# Altium PCB Kame_PDB.PcbDoc (continued)
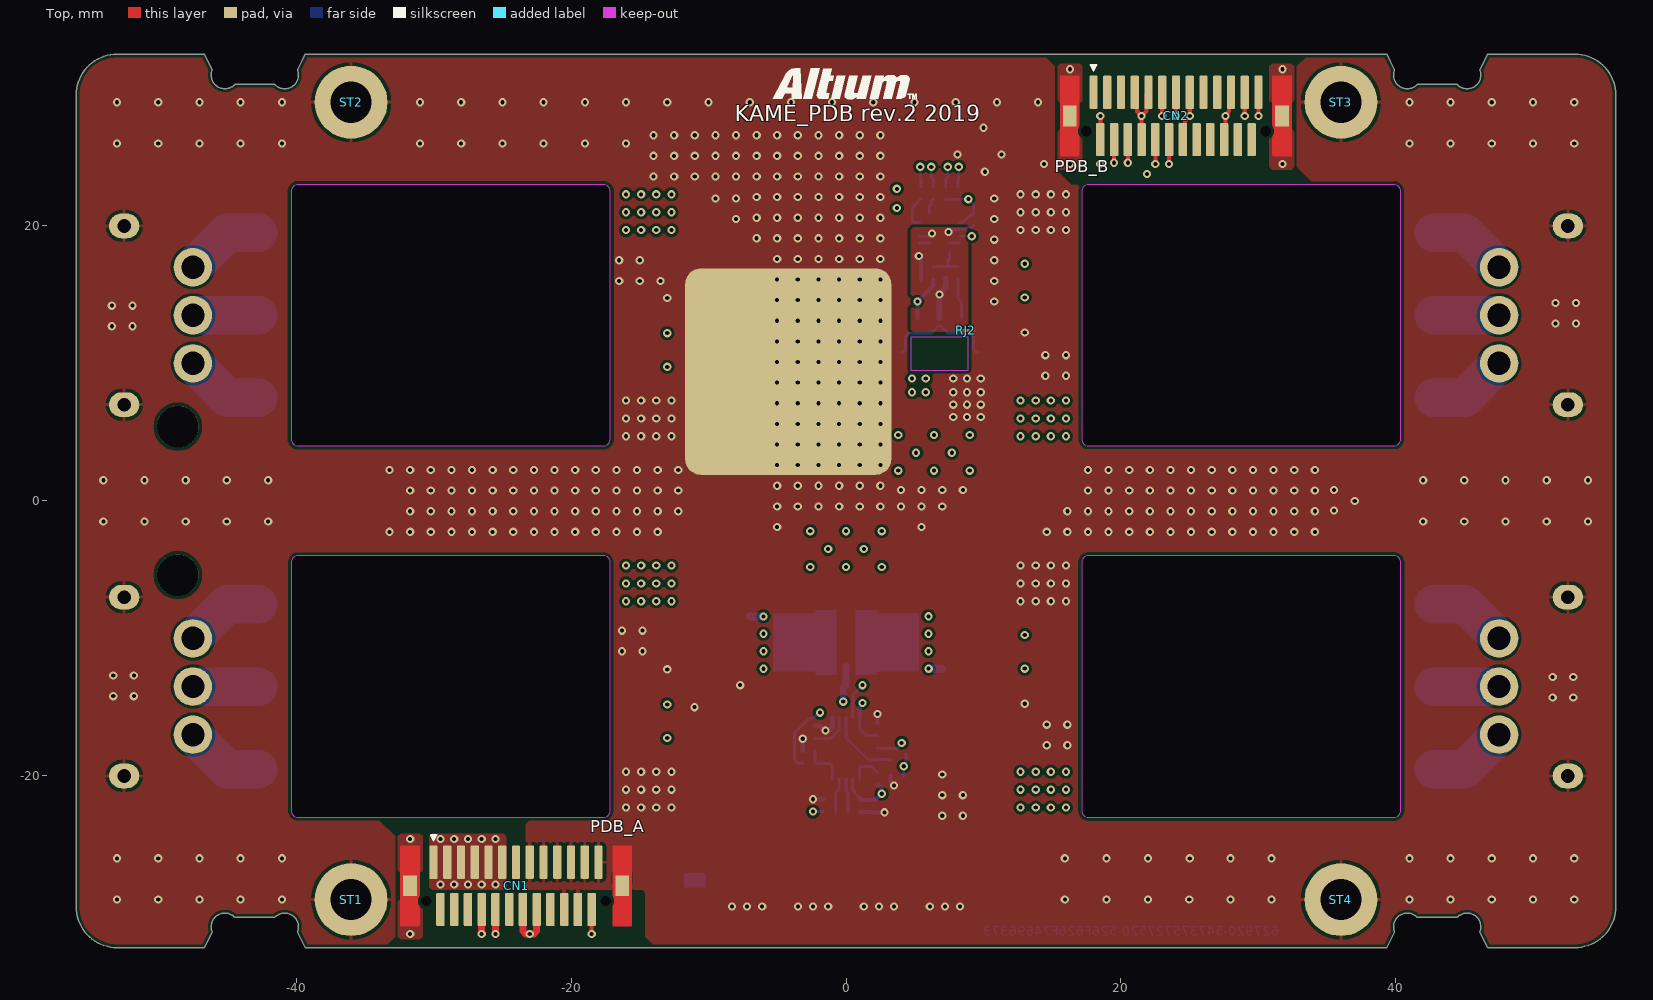
[diagram p0: Top view]
## Footprints (in the part's own frame and the unit in brackets; to place one, negate y for a bottom-side part, rotate by r counter-clockwise, add the part's x,y. Pads: shape width x height; smd on the part's side, far side on the other; paste and mask are expansions set on the pad) (continued)
  body extent -13.5,-9.9 13.5,9.9, height 3.3
MR30PW-FB-Footprint-1 [mm]
  round 2.8 hole 1.7: 1(2.5,-3.5) 2(2.5,0) 3(2.5,3.5)
  oval 2.2x1.8 hole 1: MP1(-2.5,-6.5) MP2(-2.5,6.5)
  silkscreen extent 2.3,-5.9 2.7,-5.5, body extent -11.55,-7.65 3.3,7.65, height 5.3
"New footprint 1" [mil]
  rect 1x8 smd: 1(-6.89,0) 2(6.89,0)
  Top region: -6.89,4 6.89,4 6.89,-4 -6.89,-4
NXP-SOT669_L [mm] "DPAK, 4-Leads, Body 5x4.1mm, Pitch 1.27mm, IPC High Density"
  rrect25% 1.15x0.7 smd: 1(-2.725,1.905) 2(-2.725,0.635) 3(-2.725,-0.635) 4(-2.725,-1.905)
  rrect0% 1x1 smd paste-1: 5(0.5,0)
  Top region: -1.1,2 -1.1,-2 -1.1,-2.02 -1.085,-2.057 -1.057,-2.085 -1.02,-2.1 -1,-2.1 -1,-2.1 1.9,-2.1 1.919,-2.102 1.956,-2.117 1.983,-2.144 1.998,-2.18 2,-2.2 2,-2.2 2,-2.25 2,-2.27 2.015,-2.307 2.043,-2.335 2.08,-2.35 2.1,-2.35 2.1,-2.35 3.4,-2.35 3.42,-2.35 3.457,-2.335 3.485,-2.307 3.5,-2.27 3.5,-2.25 3.5,-2.25 3.5,2.25 3.5,2.27 3.485,2.307 3.457,2.335 3.42,2.35 3.4,2.35 3.4,2.35 2.1,2.35 2.08,2.35 2.043,2.335 2.015,2.307 2,2.27 2,2.25 2,2.25 2,2.2 1.998,2.18 1.983,2.144 1.956,2.117 1.92,2.102 1.9,2.1 1.9,2.1 -1,2.1 -1.02,2.1 -1.057,2.085 -1.085,2.057 -1.1,2.02 -1.1,2
  silkscreen extent -3.9,-2.8 3.9,2.8, body extent -3.23,-2.45 3.2,2.45, height 1.1
RESC0402(1005)_L [mm] "Chip Resistor, Body 1.0x0.5mm, IPC High Density"
  rrect25% 0.5x0.55 smd: 1(-0.45,0) 2(0.45,0)
  silkscreen extent 0,-0.2 0,0.2, body extent -0.5,-0.25 0.5,0.25, height 0.3
RGT0016C_V [mm] "QFN, 16-Leads, Body 3x3mm, Pitch 0.5mm, Thermal Pad 1.65x1.65mm"
  rrect100% 0.7x0.25 smd: 1(-1.45,0.75) 2(-1.45,0.25) 3(-1.45,-0.25) 4(-1.45,-0.75) 9(1.45,-0.75) 10(1.45,-0.25) 11(1.45,0.25) 12(1.45,0.75)
  rrect100% 0.25x0.7 smd: 5(-0.75,-1.45) 6(-0.25,-1.45) 7(0.25,-1.45) 8(0.75,-1.45) 13(0.75,1.45) 14(0.25,1.45) 15(-0.25,1.45) 16(-0.75,1.45)
  rrect15% 1.7x1.7 smd: 17(0,0)
  silkscreen extent -1.9,-1.9 1.9,1.9, body extent -1.5,-1.5 1.5,1.5, height 0.97
ROHM-SOT723-3_V [mm] "SOT723, 3-Leads, Body 1.2x0.8mm, Pitch 0.8mm"
  rrect30% 0.45x0.4 smd: 1(-0.575,0.4) 2(-0.575,-0.4)
  rrect30% 0.45x0.5 smd: 3(0.575,0)
  body extent -0.53,-0.63 0.53,0.63, height 0.45
STM-QFN3 [mm] "SMD, 3-Leads, Body 2x2mm"
  rrect50% 0.6x0.3 smd: 1(-0.85,0.65) 2(-0.85,-0.65)
  rrect50% 1x0.3 smd paste-1: 3(0.75,0)
  Top region: -0.2,-0.675 -0.2,-0.69 -0.189,-0.717 -0.167,-0.739 -0.14,-0.75 -0.125,-0.75 -0.125,-0.75 0.725,-0.75 0.74,-0.75 0.767,-0.739 0.789,-0.717 0.8,-0.69 0.8,-0.675 0.8,-0.675 0.8,0.675 0.8,0.69 0.789,0.717 0.767,0.739 0.74,0.75 0.725,0.75 0.725,0.75 -0.125,0.75 -0.14,0.75 -0.167,0.739 -0.189,0.717 -0.2,0.69 -0.2,0.675 -0.2,0.675
  silkscreen extent -1.4,-1.2 1.4,1.2, body extent -0.95,-1 1.05,1, height 0.6
WE-9774050243R_V [mm] "Round Standoff M2 Steel Spacer"
  round 5.3 / inner round 0 / far side round 0 hole 3: 1(0,0)
  body extent -2.17,-2.17 2.18,2.17, height 5
WIRE_PAD_7x4-Footprint-1 [mm]
  rrect30% 6.472x4 smd mask+0.102: 1(0,0)

## Part data
C1 C2 C3 C4: library part CMP-001-00064-3, "Aluminum Organic Polymer Capacitors 33uF 25volt SP-Cap AEC-Q200", Case/Package=2917, Max Operating Temperature=105°C, Min Operating Temperature=-40°C, Tolerance=20%, Voltage Rating=25V, Mounting Technology=SMT, Pins=2
C5 C7 C8 C9 C10: library part CMP-001-00067-3, "Chip Capacitor, 100nF +/-20%, 50V, 0402, Thickness 0.6 mm", Case/Package=0402, Max Operating Temperature=85°C, Min Operating Temperature=-55°C, Tolerance=10%, Voltage Rating=50V, Mounting Technology=SMT, Pins=2
C6: library part CMP-001-00073-3, "Chip Capacitor, 22pF +/-10%, 50V, 0402, Thickness 0.6 mm", Case/Package=0402, Max Operating Temperature=85°C, Min Operating Temperature=-55°C, Tolerance=10%, Voltage Rating=50V, Mounting Technology=SMT, Pins=2
CN1 CN2: library part CMP-002-00064-3, "Header, Pitch 1 mm, 25 Position, Height 5 mm, -55 to 130 degC", Pins=27
CP1 CP2 CP3 CP4: library part CMP-002-00056-3, "AMASS 500V 15A   0.8 mOhm", Pins=5
D1: library part CMP-004-00029-3, "TVS diode, 4500W, 22V standoff, 29.5V clamp", Case/Package=3-QFN, Forward Voltage=700mV, Max Surge Current=140A, Peak Inverse Voltage=22.7V, Mounting Technology=SMT, Pins=3, RoHS Compliant=Yes
M1 M2 M3 M4: library part CMP-00030-00000-2, "KISS ESC 2-6S 32A (45A limit) - 32bit brushless Motor Ctrl", Pins=8
P1 P2: library part CMP-019-00043-3, "SMD WIRE PAD 7 x 4 mm", Pins=1
Q1 Q2: library part CMP-013-00029-2, "N-channel Logic Level MOSFET, 30 V, 300 A, -55 to 175 degC, 5-Pin SOT669, RoHS, Tape and Reel", Pins=5, RoHS Compliant=True, Transistor Type=1N-Channel, Vgs (Max)=20V
Q3: library part CMP-013-00027-2, "Pch Small Signal MOSFET, 20 V, 200 mA, 3-Pin SOT723, RoHS, Tape and Reel", Pins=3, Vgs(th) (Max) @ Id=1V@100µA
R1: library part CMP-009-00125-3, "Chip Resistor, 953 kOhms, +/-1 %, 63 mW, -55 to 155 degC, 0402", Case/Package=0402, Max Operating Temperature=155°C, Min Operating Temperature=-55°C, Power=63mW, Tolerance=1%, Pins=2
R2: library part CMP-009-00127-3, "Chip Resistor, 232 kOhms, +/-1 %, 63 mW, -55 to 155 degC, 0402", Case/Package=0402, Power=63mW, Tolerance=1%, Pins=2
R3: library part CMP-009-00156-3, "Chip Resistor, 2,8 kOhms, +/-1 %, 63 mW, -55 to 155 degC, 0402", Case/Package=0402, Power=63mW, Tolerance=1%, Pins=2
R4 R5: library part CMP-009-00140-3, "Chip Resistor, 82 kOhms, +/-1 %, 63 mW, -55 to 155 degC, 0402", Case/Package=0402, Power=63mW, Tolerance=1%, Pins=2
R6 R7 R9: library part CMP-009-00168-3, "Chip Resistor, 100 kOhms, +/-1 %, 63 mW, -55 to 155 degC, 0402", Case/Package=0402, Max Operating Temperature=155°C, Min Operating Temperature=-55°C, Power=63mW, Tolerance=1%, Pins=2
R8: library part CMP-009-00157-3, "Chip Resistor, 1 kOhms, +/-5 %, 63 mW, -55 to 155 degC, 0402", Case/Package=0402, Max Operating Temperature=155°C, Min Operating Temperature=-55°C, Power=63mW, Tolerance=5%, Pins=2
R10 R11 R12 R13: library part CMP-009-00148-3, Case/Package=0402, Max Operating Temperature=155°C, Min Operating Temperature=-55°C, Pins=2
R14: library part CMP-009-00146-3, "Chip Resistor, 120 kOhms, +/-1 %, 63 mW, -55 to 155 degC, 0402", Case/Package=0402, Max Operating Temperature=155°C, Min Operating Temperature=-55°C, Power=63mW, Tolerance=1%, Pins=2
R15: library part CMP-009-00145-3, "Chip Resistor, 3 kOhms, +/-1 %, 63 mW, -55 to 155 degC, 0402", Case/Package=0402, Max Operating Temperature=155°C, Min Operating Temperature=-55°C, Power=63mW, Tolerance=1%, Pins=2
RJ1 RJ2: library part CMP-009-00116-2, Max Operating Temperature=155°C, Min Operating Temperature=-55°C, Pins=2
ST1 ST2 ST3 ST4: library part CMP-00028-00006-2, "WA-SMSI SMT Steel Spacer, M2 Thread Internal, Tin, RoHS, Tape and Reel", Pins=1
U1: library part CMP-019-00039-3, "High-Side Protection Controller with Low Quiescent Current, 5.5 to 65 V, -40 to 125 degC, 10-Pin VSSOP, RoHS, Tape and Reel", Max Operating Temperature=125°C, Max Supply Voltage=65V, Min Operating Temperature=-40°C, Min Supply Voltage=5.5V, Pins=10
U2: library part CMP-014-00001-3, "High or Low Side Measurement, 2.7 to 5.5 V, -40 to 125 degC, 16-Pin QFN, RoHS, Tape and Reel", Mounting Technology=SurfaceMount, Pins=17
U3: library part CMP-031-00005-2, "High-Precision Linear Hall-Effect-Based Current Sensor IC with 200 u? Current Conductor, 3 to 3.6 V, -40 to 150 degC, 7-Pin PSOF, RoHS, Tape and Reel", Pins=7

## Free pads (board coordinates)
  round 3 hole 3 unplated: 1(-48.6,-5.4) 1(-48.6,5.4)
  rrect15% 15x15 smd paste-10: RPI_HS(-4.2,9.4)

## Via types
v1: diameter 0.6, hole 0.3, Top to Bottom, tented both sides, 492 vias
v2: diameter 0.6, hole 0.3, Top to Bottom, 132 vias

## Nets (pads, with @x,y where several pads share a name; then routed paths per layer and width w, separated by ;. In a path a pad name is that pad's centre, name@x,y a point inside that pad or via, vN(x,y) a via of type N, cw(c..) or ccw(c..) an arc to the next point about the centre after c; other vN are vias at no path point)
BAT_CS_P: C10.1 R14.2 R15.2 U2.13 | length 2.9
  Bottom w0.2: C10.1 6.4,17.05 R15.2 ; U2.13 7.55,17.66 7.402,17.512 7.402,17.202 R15.2 ; R14.2 R15.2
BAT_GND: P2.1 U3.6
  other v2: 3.8,2.2 6.4,2.2 9,2.2 5.1,3.5 7.7,3.5 3.8,4.8 6.4,4.8 9,4.8 4.8,7.9 5.8,7.9 4.8,8.9 5.8,8.9
BAT_PWR17_PDB: C1.1 C2.1 C3.1 C4.1 C5.1 CN1.1 CN1.2 CN1.3 CN1.4 CN1.5 CN1.6 D1.3 P1.1 Q1.5 Q2.5 R1.2 R2.2 R3.2 U1.2 U2.11 | length 49.6
  L3 w0.3: v2(0,-2.2) v2@0.203,-2.2 ; v2(2.6,-2.2) 1.818,-1.418 1.818,14.99 2.188,15.361 2.848,15.361 4.22,16.734 4.22,18.12 4.8,18.7 8.364,18.7 8.914,19.25 v1(9.15,19.25)
  L3 w0.4: v1(-2.4,-22.599) 1.301,-22.599 v1(2.6,-21.3) 2.619,-21.281 2.619,-17.419 v1(-0.2,-14.6)
  Bottom w0.15: U2.11 v1(9.15,19.25)
  Bottom w0.2: v1(-2.4,-22.599) R2.2 ; U1.2 0.5,-21 0.617,-21.117 0.617,-21.242 1.075,-21.7 R1.2@1.075,-21.725
  Bottom w0.3: R1.2 1.075,-21.725 1.1,-21.75 C5.1 2.15,-21.75 v1(2.6,-21.3) 2.6,-20.925 2.325,-20.65 R3.2
  Bottom w0.5: v1(-0.2,-14.6) -0.2,-13.6 0,-13.4 0,-12.023
  other v1: -29.5,-27.9 -28.5,-27.9 -27.5,-27.9 -26.5,-27.9 -25.5,-27.9 -29.5,-24.6 -28.5,-24.6 -27.5,-24.6 -26.5,-24.6 -25.5,-24.6
  other v2: -2.6,-4.8 0,-4.8 2.6,-4.8 -1.3,-3.5 1.3,-3.5 -2.6,-2.2
BAT_SCL: CN2.6 R12.2 | length 21.9
  Top w0.3: v1(23,28) CN2.6
  L3 w0.2: v1(6.2,24.3) 9.7,27.8 17.705,27.8 18.151,27.354 22.354,27.354 v1(23,28)
  Bottom w0.2: v1(6.2,24.3) 6.2,23.55 6.35,23.4 R12.2
BAT_SDA: CN2.7 R13.2 | length 24
  Top w0.3: v1(24,28) CN2.7
  L3 w0.2: v1@5.3,24.4 5.451,24.4 9.251,28.2 17.705,28.2 18.205,28.7 23.3,28.7 v1(24,28)
  Bottom w0.2: v1(5.4,24.3) 5.4,23.45 5.45,23.4 R13.2
ESC_EN: CN2.12 R8.2 | length 83.6
  Top w0.3: v1(29,28) CN2.12
  L2 w0.2: v1(-1.9,-15.4) -1.2,-16.1 7.4,-16.1 10.4,-13.1 10.4,12.334 6.85,15.884 6.85,19.699 6.8,19.749 6.8,24.8 7.9,25.9 26.9,25.9 v1(29,28)
  Bottom w0.2: R8.2 -3.5,-19.1 -3.75,-18.85 -3.75,-16.887 -2.663,-15.8 -2.349,-15.8 -1.949,-15.4 v1(-1.9,-15.4)
ESC_M1: CN2.15 M1.4 | length 42.6
  Top w0.3: v1(19.5,24.6) CN2.15
  L2 w0.2: v2@13.1,-9.75 12.1,-8.75 12.1,22.56 13.44,23.9 18.8,23.9 v1(19.5,24.6)
  other v2: 13,-9.75
ESC_M2: CN2.16 M2.4 | length 43.9
  Top w0.3: v1(20.5,24.6) CN2.16
  L2 w0.2: v2(-13,9.75) -5.85,16.9 2.723,16.9 3.303,17.48 3.303,20.903 v1(3.7,21.3)
  L3 w0.2: v1(3.7,21.3) 6.811,21.3 8.411,22.9 10.671,22.9 12.871,25.1 19,25.1 19.2,25.3 19.8,25.3 v1(20.5,24.6)
ESC_M3: CN2.18 M3.4 | length 19
  Top w0.3: v1(22.5,24.5) CN2.18
  L3 w0.2: v2@13.1,17.25 11.9,18.45 11.9,22.584 13.216,23.9 20.995,23.9 21.595,24.5 v1(22.5,24.5)
  other v2: 13,17.25
ESC_M4: CN2.19 M4.4 | length 75.2
  Top w0.3: v1(23.5,24.5) CN2.19
  L2 w0.2: v2@-13.1,-17.25 -11.9,-16.05 -11.9,-14.686 -11.3,-14.086 -11.3,-5.6 -5.3,0.4 -0.1,0.4 0.2,0.7 0.2,14.9 0.7,15.4 2.8,15.4 3.866,16.466 3.866,20.465 4.426,21.025 4.426,21.974 v1(3.7,22.7)
  L3 w0.2: v1(3.7,22.7) 7.616,22.7 8.216,23.3 10.405,23.3 12.605,25.5 18.6,25.5 18.9,25.8 22.2,25.8 v1(23.5,24.5)
  other v2: -13,-17.25
ESC_PG: CN2.13 Q3.3 R7.2 | length 71.3
  Top w0.3: v1(30,28) CN2.13
  L2 w0.2: 4.4,-19.6 4.4,-18.971 5.071,-18.3 7.471,-18.3 11.6,-14.171 11.6,23.8 13.2,25.4 27.4,25.4 v1(30,28)
  Bottom w0.2: R7.2@4.2,-20 v1(4.2,-19.3) 4.37,-19.13 Q3.3
ESC_PWR17: M1.1 M2.1 M3.1 M4.1 Q1.1 Q1.2 Q1.3 Q2.1 Q2.2 Q2.3 RJ1.2 | length 3
  L3 w0.2: 0,-12.5 0,-13.004 0.396,-13.4 v1(1.2,-13.4)
  Bottom w0.2: RJ1.2 0.5,-14.1 v1(1.2,-13.4)
  other v1: -6,-12.205 -6,-10.935 6,-10.935 -6,-9.665 6,-9.665 6,-8.395
  other v2: 12.7,-22.3 13.8,-22.3 14.9,-22.3 16,-22.3 12.7,-21 13.8,-21 14.9,-21 16,-21 12.7,-19.7 13.8,-19.7 14.9,-19.7 16,-19.7 -16,-7.3 -14.9,-7.3 -13.8,-7.3 -12.7,-7.3 -16,-6 -14.9,-6 -13.8,-6 -12.7,-6 -16,-4.7 -14.9,-4.7 -13.8,-4.7 -12.7,-4.7 12.7,4.7 13.8,4.7 14.9,4.7 16,4.7 12.7,6 13.8,6 14.9,6 16,6 12.7,7.3 13.8,7.3 14.9,7.3 16,7.3 -16,19.7 -14.9,19.7 -13.8,19.7 -12.7,19.7 -16,21 -14.9,21 -13.8,21 -12.7,21 -16,22.3 -14.9,22.3 -13.8,22.3 -12.7,22.3
GND: C1.2 C2.2 C3.2 C4.2 C5.2 C6.1 C7.2 CN1.8 CN1.9 CN1.10 CN1.11 CN1.12 CN1.13 CN1.17 CN1.18 CN1.23 CN1.24 CN1.MP1 CN1.MP2 CN2.4 CN2.5 CN2.8 CN2.11 CN2.14 CN2.17 CN2.20 CN2.23 CN2.MP1 CN2.MP2 CP1.MP1 CP1.MP2 CP2.MP1 CP2.MP2 CP3.MP1 CP3.MP2 CP4.MP1 CP4.MP2 D1.1 D1.2 M1.2 M1.5 M2.2 M2.5 M3.2 M3.5 M4.2 M4.5 pad.RPI_HS R4.1 R5.1 R7.1 R9.1 RJ2.1 ST1.1 ST2.1 ST3.1 ST4.1 U1.6 U3.5 | length 25.7
  Top w0.2: RJ2.1 9.31,12.4
  Top w0.3: CN2.14 v1(18.5,28) ; CN2.4 21.155,29.565 21.155,28.345 21.459,28.041 v1@21.5,28.081 ; CN2.17 v1(21.5,28) 21.845,28.345 21.845,29.565 CN2.5 ; CN2.20 24.655,26.435 24.655,27.655 v1(25,28) CN2.8 ; CN2.23 27.6,26.38 v1(27.6,28) 27.6,28.081 27.845,28.326 27.845,29.565 CN2.11
  Top w0.5: v1(-26.5,-31.5) CN1.17 ; v1(-25.5,-31.5) CN1.18
  Bottom w0.3: R9.1 v1(-3.15,-17.3) ; v1(-2.4,-21.7) R5.1 ; C7.2 -1.931,-16.35 -1.581,-16.7 v1(-1.5,-16.7) -1.176,-16.7 -1,-16.524 U1.6 ; R4.1 1.075,-22.625 1.975,-22.625 C5.2 v1(2.8,-22.65) ; C6.1 v1(2.3,-15.5) ; R7.1 3.25,-20.45 v1(3.5,-20.7)
  other v1: -31.7,-31.5 -8.3,-29.5 -7.2,-29.5 -6.1,-29.5 -3.5,-29.5 -2.4,-29.5 -1.3,-29.5 1.3,-29.5 2.4,-29.5 3.5,-29.5 6.1,-29.5 7.2,-29.5 8.3,-29.5 -53.019,-29 -50.028,-29 -47.028,-29 -44.037,-29 -41.028,-29 15.916,-29 18.944,-29 21.972,-29 24.963,-29 27.963,-29 30.953,-29 40.981,-29 43.972,-29 46.972,-29 49.963,-29 52.972,-29 -53.019,-26 -50.028,-26 -47.028,-26 -44.037,-26 -41.028,-26 15.916,-26 18.944,-26 21.972,-26 25,-26 27.963,-26 30.953,-26 40.981,-26 43.972,-26 46.972,-26 49.963,-26 52.972,-26 -31.7,-24.6 7,-22.9 8.5,-22.9 7,-21.4 8.5,-21.4 7,-19.9 14.6,-17.775 16.1,-17.775 14.6,-16.275 16.1,-16.275 -11.028,-15 51.4,-14.3 52.9,-14.3 -53.3,-14.2 -51.8,-14.2 -7.7,-13.4 51.4,-12.8 52.9,-12.8 -53.3,-12.7 -51.8,-12.7 -16.3,-10.935 -14.8,-10.935 -16.3,-9.435 -14.8,-9.435 -33.2,-2.25 -31.7,-2.25 -30.2,-2.25 -28.7,-2.25 -27.2,-2.25 -25.7,-2.25 -24.2,-2.25 -22.7,-2.25 -21.2,-2.25 -19.7,-2.25 -18.2,-2.25 -16.7,-2.25 -15.2,-2.25 -13.7,-2.25 14.6,-2.25 16.1,-2.25 17.6,-2.25 19.1,-2.25 20.6,-2.25 22.1,-2.25 23.6,-2.25 25.1,-2.25 26.6,-2.25 28.1,-2.25 29.6,-2.25 31.1,-2.25 32.6,-2.25 34.1,-2.25 -5.009,-1.9 5.5,-1.9 -54.019,-1.5 -51.028,-1.5 -48.028,-1.5 -45.037,-1.5 -42.028,-1.5 41.981,-1.5 44.972,-1.5 47.972,-1.5 50.963,-1.5 53.972,-1.5 -31.7,-0.75 -30.2,-0.75 -28.7,-0.75 -27.2,-0.75 -25.7,-0.75 -24.2,-0.75 -22.7,-0.75 -21.2,-0.75 -19.7,-0.75 -18.2,-0.75 -16.7,-0.75 -15.2,-0.75 -13.7,-0.75 -12.2,-0.75 16.1,-0.75 17.6,-0.75 19.1,-0.75 20.6,-0.75 22.1,-0.75 23.6,-0.75 25.1,-0.75 26.6,-0.75 28.1,-0.75 29.6,-0.75 31.1,-0.75 32.6,-0.75 34.1,-0.75 35.5,-0.7 -5.009,-0.4 -3.509,-0.4 -2,-0.4 -0.5,-0.4 1,-0.4 2.5,-0.4 4,-0.4 5.5,-0.4 7,-0.4 37,0 -31.7,0.75 -30.2,0.75 -28.7,0.75 -27.2,0.75 -25.7,0.75 -24.2,0.75 -22.7,0.75 -21.2,0.75 -19.7,0.75 -18.2,0.75 -16.7,0.75 -15.2,0.75 -13.7,0.75 -12.2,0.75 17.6,0.75 19.1,0.75 20.6,0.75 22.1,0.75 23.6,0.75 25.1,0.75 26.6,0.75 28.1,0.75 29.6,0.75 31.1,0.75 32.6,0.75 34.1,0.75 4,0.799 5.5,0.799 7,0.799 8.5,0.8 35.5,0.8 -5.009,1.1 -3.509,1.1 -2,1.1 -0.5,1.1 1,1.1 2.5,1.1 -54.019,1.5 -51.028,1.5 -48.028,1.5 -45.037,1.5 -42.028,1.5 41.981,1.5 44.972,1.5 47.972,1.5 50.963,1.5 53.972,1.5 -33.2,2.25 -31.7,2.25 -30.2,2.25 -28.7,2.25 -27.2,2.25 -25.7,2.25 -24.2,2.25 -22.7,2.25 -21.2,2.25 -19.7,2.25 -18.2,2.25 -16.7,2.25 -15.2,2.25 -13.7,2.25 -12.2,2.25 17.6,2.25 19.1,2.25 20.6,2.25 22.1,2.25 23.6,2.25 25.1,2.25 26.6,2.25 28.1,2.25 29.6,2.25 31.1,2.25 32.6,2.25 34.1,2.25 -5.009,2.6 -3.509,2.6 -2,2.6 -0.5,2.6 1,2.6 2.5,2.6 -5.009,4.1 -3.509,4.1 -2,4.1 -0.5,4.1 1,4.1 2.5,4.1 -5.009,5.6 -3.509,5.6 -2,5.6 -0.5,5.6 1,5.6 2.5,5.6 7.8,6.1 8.8,6.1 9.8,6.1 7.8,7 8.8,7 9.8,7 -5.009,7.1 -3.509,7.1 -2,7.1 -0.5,7.1 1,7.1 2.5,7.1 9.8,7.9 -5.009,8.6 -3.509,8.6 -2,8.6 -0.5,8.6 1,8.6 2.5,8.6 9.8,8.9 14.5,9.1 16,9.1 -5.009,10.1 -3.509,10.1 -2,10.1 -0.5,10.1 1,10.1 2.5,10.1 14.5,10.6 16,10.6 -5.009,11.6 -3.509,11.6 -2,11.6 -0.5,11.6 1,11.6 2.5,11.6 -53.4,12.7 -51.9,12.7 51.6,12.9 53.1,12.9 -5.009,13.1 -3.509,13.1 -2,13.1 -0.5,13.1 1,13.1 2.5,13.1 -53.4,14.2 -51.9,14.2 51.6,14.4 53.1,14.4 10.781,14.5 -5.009,14.6 -3.509,14.6 -2,14.6 -0.5,14.6 1,14.6 2.5,14.6 -16.5,16 -15,16 -13.491,16 10.781,16 -5.009,16.1 -3.509,16.1 -2,16.1 -0.5,16.1 1,16.1 2.5,16.1 -16.5,17.5 -15,17.5 10.781,17.5 -5.009,17.6 -3.509,17.6 -2,17.6 -0.5,17.6 1,17.6 2.5,17.6 10.781,19 -6.5,19.1 -5.009,19.1 -3.509,19.1 -2,19.1 -0.5,19.1 1,19.1 2.5,19.1 -8,20.5 10.781,20.5 -6.5,20.6 -5.009,20.6 -3.509,20.6 -2,20.6 -0.5,20.6 1,20.6 2.5,20.6 -9.491,22 -8,22 10.781,22 -6.5,22.1 -5.009,22.1 -3.509,22.1 -2,22.1 -0.5,22.1 1,22.1 2.5,22.1 -14.009,23.6 -12.5,23.6 -11,23.6 -9.5,23.6 -8,23.6 -6.5,23.6 -5.009,23.6 -3.509,23.6 -2,23.6 -0.5,23.6 1,23.6 2.5,23.6 21.9,23.783 10.1,23.94 14.4,24.5 16.3,24.5 18.5,24.5 31.74,24.5 -14.009,25.1 -12.5,25.1 -11,25.1 -9.5,25.1 -8,25.1 -6.5,25.1 -5.009,25.1 -3.509,25.1 -2,25.1 -0.5,25.1 1,25.1 2.5,25.1 8.112,25.2 11.317,25.2 -53.019,26 -50.028,26 -47.028,26 -44.037,26 -41.028,26 -30.981,26 -27.991,26 -24.991,26 -22,26 -18.991,26 -16,26 40.981,26 43.972,26 46.972,26 49.963,26 52.972,26 -14.009,26.6 -12.5,26.6 -11,26.6 -9.5,26.6 -8,26.6 -6.5,26.6 -5.009,26.6 -3.509,26.6 -2,26.6 -0.5,26.6 1,26.6 2.5,26.6 10,27.138 -53.019,29 -50.028,29 -47.028,29 -44.037,29 -41.028,29 -30.981,29 -27.991,29 -24.991,29 -22,29 -18.991,29 -16,29 -13,29 -10.009,29 -7,29 -4.009,29 -1.009,29 1.981,29 4.991,29 7.981,29 10.981,29 13.972,29 40.981,29 43.972,29 46.972,29 49.963,29 52.972,29 16.3,31.4 31.74,31.4
  other v2: -16,-22.3 -14.9,-22.3 -13.8,-22.3 -12.7,-22.3 -16,-21 -14.9,-21 -13.8,-21 -12.7,-21 -16,-19.7 -14.9,-19.7 -13.8,-19.7 -12.7,-19.7 13,-14.75 -13,-12.25 12.7,-7.3 13.8,-7.3 14.9,-7.3 16,-7.3 12.7,-6 13.8,-6 14.9,-6 16,-6 12.7,-4.7 13.8,-4.7 14.9,-4.7 16,-4.7 -16,4.7 -14.9,4.7 -13.8,4.7 -12.7,4.7 -16,6 -14.9,6 -13.8,6 -12.7,6 -16,7.3 -14.9,7.3 -13.8,7.3 -12.7,7.3 7.8,7.9 8.8,7.9 7.8,8.9 8.8,8.9 13,12.25 -13,14.75 12.7,19.7 13.8,19.7 14.9,19.7 16,19.7 12.7,21 13.8,21 14.9,21 16,21 12.7,22.3 13.8,22.3 14.9,22.3 16,22.3
INA_SCL: R12.1 U2.5 | length 1.1
  Bottom w0.2: U2.5 6.05,21.45 6.2,21.6 6.2,21.8 R12.1
INA_SDA: R13.1 U2.4 | length 2.4
  Bottom w0.2: U2.4 4.946,20.25 4.819,20.377 4.819,21.344 5.425,21.95 R13.1
LM5060_GATE: C6.2 Q1.4 Q2.4 U1.10 | length 21
  L2 w0.4: v1(-6,-8.4) -2.85,-11.55 -1.95,-11.55 v1(1.2,-14.7) 3.511,-14.7 v1(6.011,-12.2)
  Bottom w0.2: U1.10 1,-16.6 1.45,-17.05 C6.2
  Bottom w0.3: U1.10 1,-14.981 1.2,-14.781 v1(1.2,-14.7)
  Bottom w0.6: Q1.4@-6.927,-8.395 -6.922,-8.4 v1(-6,-8.4) ; v1(6.011,-12.2) 6.013,-12.203 6.923,-12.203 Q2.4
LM5060_OUT: RJ1.1 U1.9 | length 1.2
  Bottom w0.2: U1.9 RJ1.1
LM5060_OVLO: R1.1 R4.2 U1.3 | length 2.4
  Bottom w0.2: U1.3 0,-21.1 0.15,-21.25 R1.1 R4.2
LM5060_TIM: C7.1 U1.7 | length 3
  Bottom w0.2: C7.1 -2.25,-17.3 -1.139,-17.3 -0.5,-16.661 U1.7
LM5060_UVLO: R2.1 R5.2 U1.4 | length 2.5
  Bottom w0.2: R2.1 R5.2 -0.75,-21.25 -0.5,-21 U1.4
M1_A: CP1.1 M1.8 | length 5.8
  Bottom w2.8: M1.8@42.75,-19.5 45,-19.5 CP1.1
M1_B: CP1.2 M1.7 | length 4.7
  Bottom w2.8: M1.7@42.75,-13.5 CP1.2
M1_C: CP1.3 M1.6 | length 5.8
  Bottom w2.8: M1.6@42.75,-7.5 45,-7.5 CP1.3
M2_A: CP2.1 M2.8 | length 5.4
  Bottom w2.8: CP2.1@-47.262,17.237 -45,19.5 M2.8 M2.8@-42.75,19.5
M2_B: CP2.2 M2.7 | length 4.7
  Bottom w2.8: CP2.2 M2.7@-42.75,13.5
M2_C: CP2.3 M2.6 | length 5.8
  Bottom w2.8: CP2.3 -45,7.5 M2.6@-42.75,7.5
M3_A: CP3.1 M3.8 | length 5.8
  Bottom w2.8: M3.8@42.75,7.5 45,7.5 CP3.1
M3_B: CP3.2 M3.7 | length 4.7
  Bottom w2.8: M3.7@42.75,13.5 CP3.2
M3_C: CP3.3 M3.6 | length 5.8
  Bottom w2.8: M3.6@42.75,19.5 45,19.5 CP3.3
M4_A: CP4.1 M4.8 | length 5.8
  Bottom w2.8: CP4.1 -45,-7.5 M4.8@-42.75,-7.5
M4_B: CP4.2 M4.7 | length 4.7
  Bottom w2.8: CP4.2 M4.7@-42.75,-13.5
M4_C: CP4.3 M4.6 | length 5.8
  Bottom w2.8: CP4.3 -45,-19.5 M4.6@-42.75,-19.5
NetQ3_1: Q3.1 R6.1 U1.8 | length 5.4
  Bottom w0.2: U1.8 0,-17.219 1.631,-18.85 R6.1 2.35,-18.8 Q3.1
NetR3_1: R3.1 U1.1 | length 2.3
  Bottom w0.2: U1.1 1,-19.409 1.1,-19.309 1.834,-19.309 2.275,-19.75 R3.1
NetR8_1: R8.1 R9.2 U1.5 | length 3.2
  Bottom w0.2: R9.2 R8.1 -1.209,-19.1 -1,-19.309 U1.5
NetR14_1: R14.1 U3.3 | length 3
  Bottom w0.2: R14.1 8.15,14.751 8.4,14.501 U3.3
S_AGND: C8.2 C9.2 C10.2 R15.1 RJ2.2 U2.1 U2.2 U2.10 U2.12 U2.17 U3.2 U3.4 U3.7 | length 17.5
  Top w0.2: 8.09,12.4 RJ2.2
  Bottom w0.2: U3.7 4.123,10.8 4.319,10.996 4.319,11.943 4.576,12.2 6.198,12.2 U3.2@6.698,12.7 ; U2.1 U2.17@6.1,18.75 ; U2.2 U2.17@6.1,19.25 ; U3.2@6.902,12.7 7.402,12.2 9.024,12.2 9.281,11.943 9.281,10.996 9.477,10.8 U3.4 ; U2.17@7.5,18.75 U2.12 ; U2.17@7.5,19.75 U2.10 8.252,19.752 8.7,19.752 8.848,19.9 9.15,19.9 C8.2
  Bottom w0.3: v1(5.3,17.81) 5.45,17.66 C10.2 C9.2
  Bottom w0.4: U3.2 v1(6.8,15.011) 6.8,15.065 7.25,15.515 R15.1
  other v1: 6.25,19.45 7.45,19.559
VCC3M: CN1.20 CN1.21 R11.2 | length 86.3
  Top w0.5: CN1.20 -23.5,-31.3 -23.3,-31.5 v1(-23,-31.5) -22.7,-31.5 -22.5,-31.3 CN1.21
  L2 w0.2: v1(-23,-31.5) -22.4,-30.9 -17.45,-30.9 -6.95,-20.4 -4.351,-20.4 -0.851,-16.9 7.36,-16.9 10.8,-13.46 10.8,12.5 8.05,15.25 8.05,20.033 7.402,20.681 7.402,24.298 v1(7.4,24.3)
  Bottom w0.2: R11.2 7.25,23.4 7.4,23.55 v1(7.4,24.3)
VCC3SENSE: C8.1 C9.1 R10.1 R11.1 U2.9 U3.1 | length 17.3
  L3 w0.3: v1(5.2,14.501) 5.321,14.501 9.8,18.981 9.8,19.8 8.9,20.7 v1(8.9,21.95)
  Bottom w0.2: R11.1 R10.1 v1(8.9,21.95) 9.3,21.55 C8.1 9.15,20.8 9.025,20.8 8.475,20.25 U2.9
  Bottom w0.3: U3.1 v1(5.2,14.501) ; v1@5.2,14.6 v1(5.2,14.501) ; C9.1 6.35,15.651 v1(5.2,14.501)
VCC3SW: CN1.25 Q3.2 R6.2 R10.2 | length 81.9
  Top w0.3: v1(-18.5,-31.5) CN1.25
  L2 w0.2: v1(-18.5,-31.5) -17.484,-31.5 -6.784,-20.8 -4.186,-20.8 -0.986,-17.6 v1(4.05,-17.6) 7.4,-17.6 11.2,-13.8 11.2,12.7 8.5,15.4 8.5,20.149 7.82,20.828 7.82,23.761 8.2,24.14 v1(8.2,24.3)
  Bottom w0.2: R6.2 2.35,-18 Q3.2 3.7,-18 4.05,-17.65 v1(4.05,-17.6) ; R10.2 8.15,23.4 8.2,23.45 v1(8.2,24.3)
pads on no net: CN1.7 CN1.14 CN1.15 CN1.16 CN1.19 CN1.22 CN1.H1 CN1.H2 CN2.1 CN2.2 CN2.3 CN2.9 CN2.10 CN2.21 CN2.22 CN2.24 CN2.25 CN2.H1 CN2.H2 M1.3 M2.3 M3.3 M4.3 U2.3 U2.6 U2.7 U2.8 U2.14 U2.15 U2.16
copper on no net:
  other v2: -13,-14.8 13,-12.2 -13,12.2 13,14.8

## Polygon pours and split planes (outlines as drawn)
GND on Bottom "GND_L04_P116" (solid, remove dead copper, pour order 116): -6.837,32.5 56,32.5 56,-32.5 -56,-32.5 -56,32.5
BAT_PWR17_PDB on Bottom "BAT_PWR17_PDB_L04_P023" (solid, pour order 23): -25.2,-28.2 8.7,-28.2 8.9,-28 8.9,-24.1 8.7,-23.9 -2.7,-23.9 -4.3,-22.3 -4.3,-16.6 -0.4,-12.7 -0.4,-11.4 -5.5,-11.4 -5.5,-12.4 -9.7,-16.6 -9.7,-21 -11.9,-23.2 -29.5,-23.2 -30.3,-24 -30.3,-27.728 -29.828,-28.2
BAT_GND on Bottom "BAT_GND_L04_P021" (solid, pour order 21): 7.6,5.4 7.6,4.6 3.2,4.6 3.2,6.1 4.4,7.3 4.4,9.1 4.6,9.3 6,9.3 6.2,9.1 6.2,6.8
ESC_PWR17 on Bottom "ESC_PWR17_L04_P072" (solid, pour order 72): 16.2,8 12.4,8 12,7.6 12,3.3 5.7,-3 5.7,-16.9 11.8,-23 14.5,-23 15.6,-21.9 15.6,-19.7 11.5,-15.6 11.5,-4.1 16.9,1.3 16.9,7.3
ESC_PWR17 on Bottom "ESC_PWR17_L04_P047" (solid, pour order 47): -11.5,-0.9 -14.9,-4.3 -14.9,-7.7 -9.8,-12.8 -6.2,-12.8 -5.7,-12.3 -5.7,17.301 -11.399,23 -15.4,23 -15.4,19.1 -11.5,15.2
BAT_PWR17_PDB on Bottom "BAT_PWR17_PDB_L04_P033" (solid, pour order 33): 5.5,-4.2 5.5,-12.6 5.3,-12.8 -5.5,-12.8 -5.5,-4.191 -2.909,-1.6 2.9,-1.6
GND on L3 "GND_L03_P114" (solid, remove dead copper, pour order 114): -6.838,32.5 56,32.5 56,-32.5 -56,-32.5 -56,32.5
ESC_PWR17 on L3 "L3-ESC_PWR17" (solid, pour order 110): 14.498,-22.998 16.003,-22.998 16.5,-22.5 16.5,-19.5 16,-19 14.9,-19 11.5,-15.6 11.5,-4.1 16.9,1.3 16.9,7.3 16.4,7.8 12.5,7.8 12,7.3 12,3.3 5.2,-3.5 -3.409,-3.5 -5.7,-1.209 -5.7,17.3 -11.4,23 -15.9,23 -16.1,23 -16.5,22.6 -16.5,19.5 -16,19 -15.3,19 -11.5,15.2 -11.5,-0.9 -13.7,-3.1 -15.4,-3.1 -16.5,-4.2 -16.5,-7.8 -15.4,-8.9 -13.7,-8.9 -12.6,-10 -9.8,-12.8 1.542,-12.8 5.697,-16.956 11.739,-22.998
BAT_GND on L3 "BAT_GND_L03_P106" (solid, pour order 106): 3.7,1.5 3.2,2 3.2,6.1 4.4,7.3 4.4,9.1 4.6,9.3 6,9.3 6.2,9.1 6.2,6.8 7.5,5.5 9.2,5.5 9.6,5.1 9.6,2 9.1,1.5
GND on L2 "GND_L02_P112" (solid, remove dead copper, pour order 112): -6.838,32.5 56,32.5 56,-32.5 -56,-32.5 -56,32.5
BAT_GND on L2 "BAT_GND_L02_P060" (solid, pour order 60): 3.7,1.5 3.2,2 3.2,6.1 4.4,7.3 4.4,9.1 4.6,9.3 6,9.3 6.2,9.1 6.2,6.8 7.5,5.5 9.2,5.5 9.6,5.1 9.6,2 9.1,1.5
S_AGND on Top "S_AGND_L01_P059" (solid, pour order 59): 4.9,19.9 8.7,19.9 8.9,19.7 8.9,12.5 8.7,12.3 4.9,12.3 4.7,12.5 4.7,19.7
GND on Top "GND_L01_P102" (solid, pour order 102): 32.6,24.3 32.4,24.1 31,24.1 30.8,24.3 30.8,31.6 31,31.8 32.4,31.8 32.6,31.6
GND on Top "GND_L01_P100" (solid, pour order 100): 15.4,31.6 15.6,31.8 17,31.8 17.2,31.6 17.2,24.3 17,24.1 15.6,24.1 15.4,24.3
GND on Top "GND_L01_P096" (solid, pour order 96): -32.6,-24.4 -32.4,-24.2 -31,-24.2 -30.8,-24.4 -30.8,-31.7 -31,-31.9 -32.4,-31.9 -32.6,-31.7
GND on Top "GND_L01_P094" (solid, pour order 94): 32.8,24.3 33.9,23.2 33.9,23 16.4,23 15.2,24.2 15.2,31.6 13.8,33 -56,33 -56,-33 -34.1,-33 -32.8,-31.7 -32.8,-24.4 -34,-23.2 -34,-23 -22.9,-23 -22.9,-23.1 -23.3,-23.5 -23.3,-28.1 -23.1,-28.3 -21,-28.3 -20.8,-28.5 -20.8,-30.8 -19.2,-30.8 -19.2,-28.5 -19,-28.3 -17.1,-28.3 -16.9,-28.5 -15.6,-28.5 -15.4,-28.3 -14.8,-28.3 -14.6,-28.5 -14.6,-31.7 -13.3,-33 56,-33 56,33 34.2,33 32.8,31.6
BAT_PWR17_PDB on Top "BAT_PWR17_PDB_L01_P082" (solid, pour order 82): -30.1,-24.2 -24.9,-24.2 -24.7,-24.4 -24.7,-28.1 -24.9,-28.3 -30.1,-28.3 -30.3,-28.1 -30.3,-24.4

## Other copper
Bottom:
  text "627920-547375727520-526F626F74696373" at 31.5,-31.9 h1.2

## Silkscreen, mask and mechanical layers (free items; w line width, h text height)
Top Overlay:
  region: -1.302,29.263 -1.934,29.263 cw(c-1.884,29.49) -2.117,29.495 -2.117,29.56 -1.644,31.442 -1.02,31.442 -1.149,30.932 -0.89,30.932 -0.982,30.551 -1.241,30.551 -1.446,29.75 -1.446,29.724 ccw(c-1.359,29.724) -1.359,29.636 -1.208,29.636
  region: 0.884,29.719 ccw(c0.845,29.758) 0.901,29.758 1.205,30.932 1.83,30.932 1.419,29.263 0.794,29.263 0.832,29.446 0.824,29.446 0.745,29.366 cw(c0.404,29.707) 0.404,29.225 0.174,29.225 cw(c0.174,29.504) -0.105,29.504 -0.105,29.56 0.23,30.932 0.855,30.932 0.573,29.796 0.573,29.72 ccw(c0.657,29.72) 0.657,29.636 0.748,29.636 ccw(c0.748,29.765) 0.839,29.674
  region: 11 vertices and 1 holes, not listed, extent -5.34,29.263 -3.229,31.457
  region: 3.613,30.433 3.316,29.263 2.691,29.263 2.973,30.391 2.973,30.482 ccw(c2.897,30.482) 2.897,30.558 2.82,30.558 ccw(c2.82,30.376) 2.691,30.505 2.671,30.485 ccw(c2.788,30.368) 2.635,30.431 2.341,29.263 1.716,29.263 2.127,30.932 2.76,30.932 2.722,30.741 2.787,30.806 cw(c3.2,30.393) 3.2,30.977 3.373,30.977 cw(c3.373,30.691) 3.575,30.893 3.6,30.869 cw(c3.457,30.726) 3.659,30.726 3.667,30.726 3.74,30.799 cw(c4.171,30.368) 4.171,30.977 4.299,30.977 4.307,30.977 cw(c4.307,30.65) 4.634,30.65 4.36,29.522 4.33,29.461 4.261,29.377 4.185,29.324 4.101,29.286 4.01,29.263 3.667,29.263 3.956,30.413 3.956,30.474 ccw(c3.872,30.474) 3.872,30.558 3.796,30.558 ccw(c3.796,30.393) 3.679,30.51 3.633,30.463 ccw(c3.698,30.398) hole: 2.722,30.741 2.714,30.741 2.714,30.733 2.722,30.733
  region: 4.779,29.552 4.673,29.552 4.673,29.263 4.604,29.263 4.604,29.552 4.497,29.552 4.497,29.613 4.779,29.613
  region: 5.084,29.537 5.031,29.263 4.947,29.263 4.893,29.537 4.886,29.537 4.886,29.263 4.817,29.263 4.817,29.613 4.939,29.613 4.989,29.377 5.038,29.613 5.16,29.613 5.16,29.263 5.092,29.263 5.092,29.537
  region: -0.044,30.932 -0.456,29.263 -1.088,29.263 -0.669,30.932
  region: -1.926,31.457 -2.483,29.263 -3.108,29.263 -2.559,31.457
  text "KAME_PDB rev.2 2019" at -8.1,27.2 h2
  text "PDB_B" at 15.2,23.6 h1.5
  text "PDB_A" at -18.6,-24.4 h1.5
Bottom Overlay:
  circle w0.3: c-7.3,-3.4 r2
  circle w0.3: c-7.3,3.5 r2
  lines w0.2: -5.3,3.5 -5.3,3.5 ; 50.7,-0.6 51.7,-0.6 51.7,-1.6 53.2,-0.1 51.7,1.4 51.7,0.4 50.7,0.4 50.7,-0.6
  lines w0.3: -8.8,-3.4 -5.8,-3.4 ; -7.3,-4.9 -7.3,-1.9 ; -7.3,2 -7.3,5
  text "FRONT" at 48.7,-2.3 h2 r270
Board:
  the board outline again, w0.1